# Altium PCB logo.PcbDoc
Units mil, origin at the board's own origin, x right, y up, seen from the top; angles counter-clockwise.
Board outline 6490 x 5357.19 mil, 2 copper layers (Top Layer, Bottom Layer); 37 components, 62 nets, 266 pads, 0 vias.
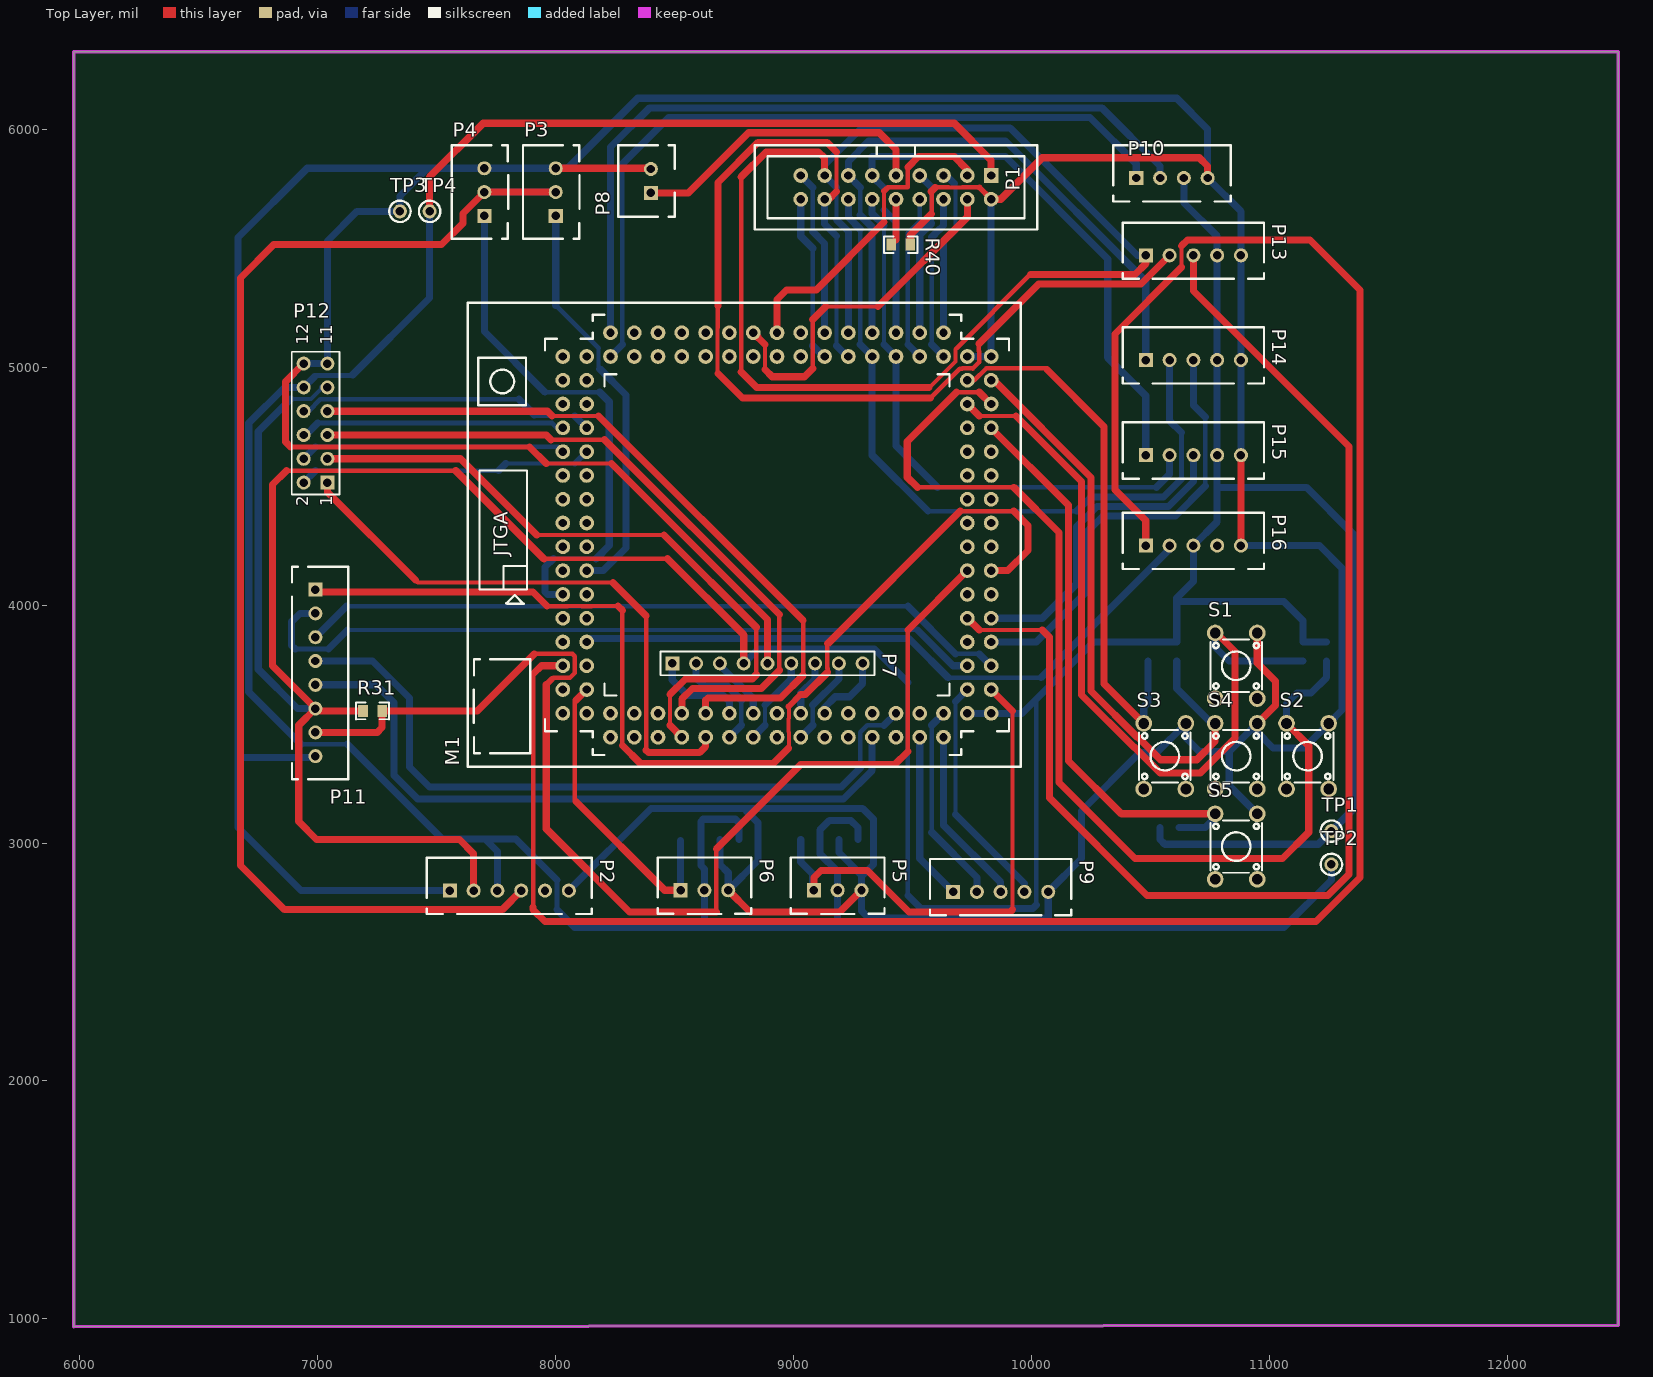
[diagram p0: Top Layer view]
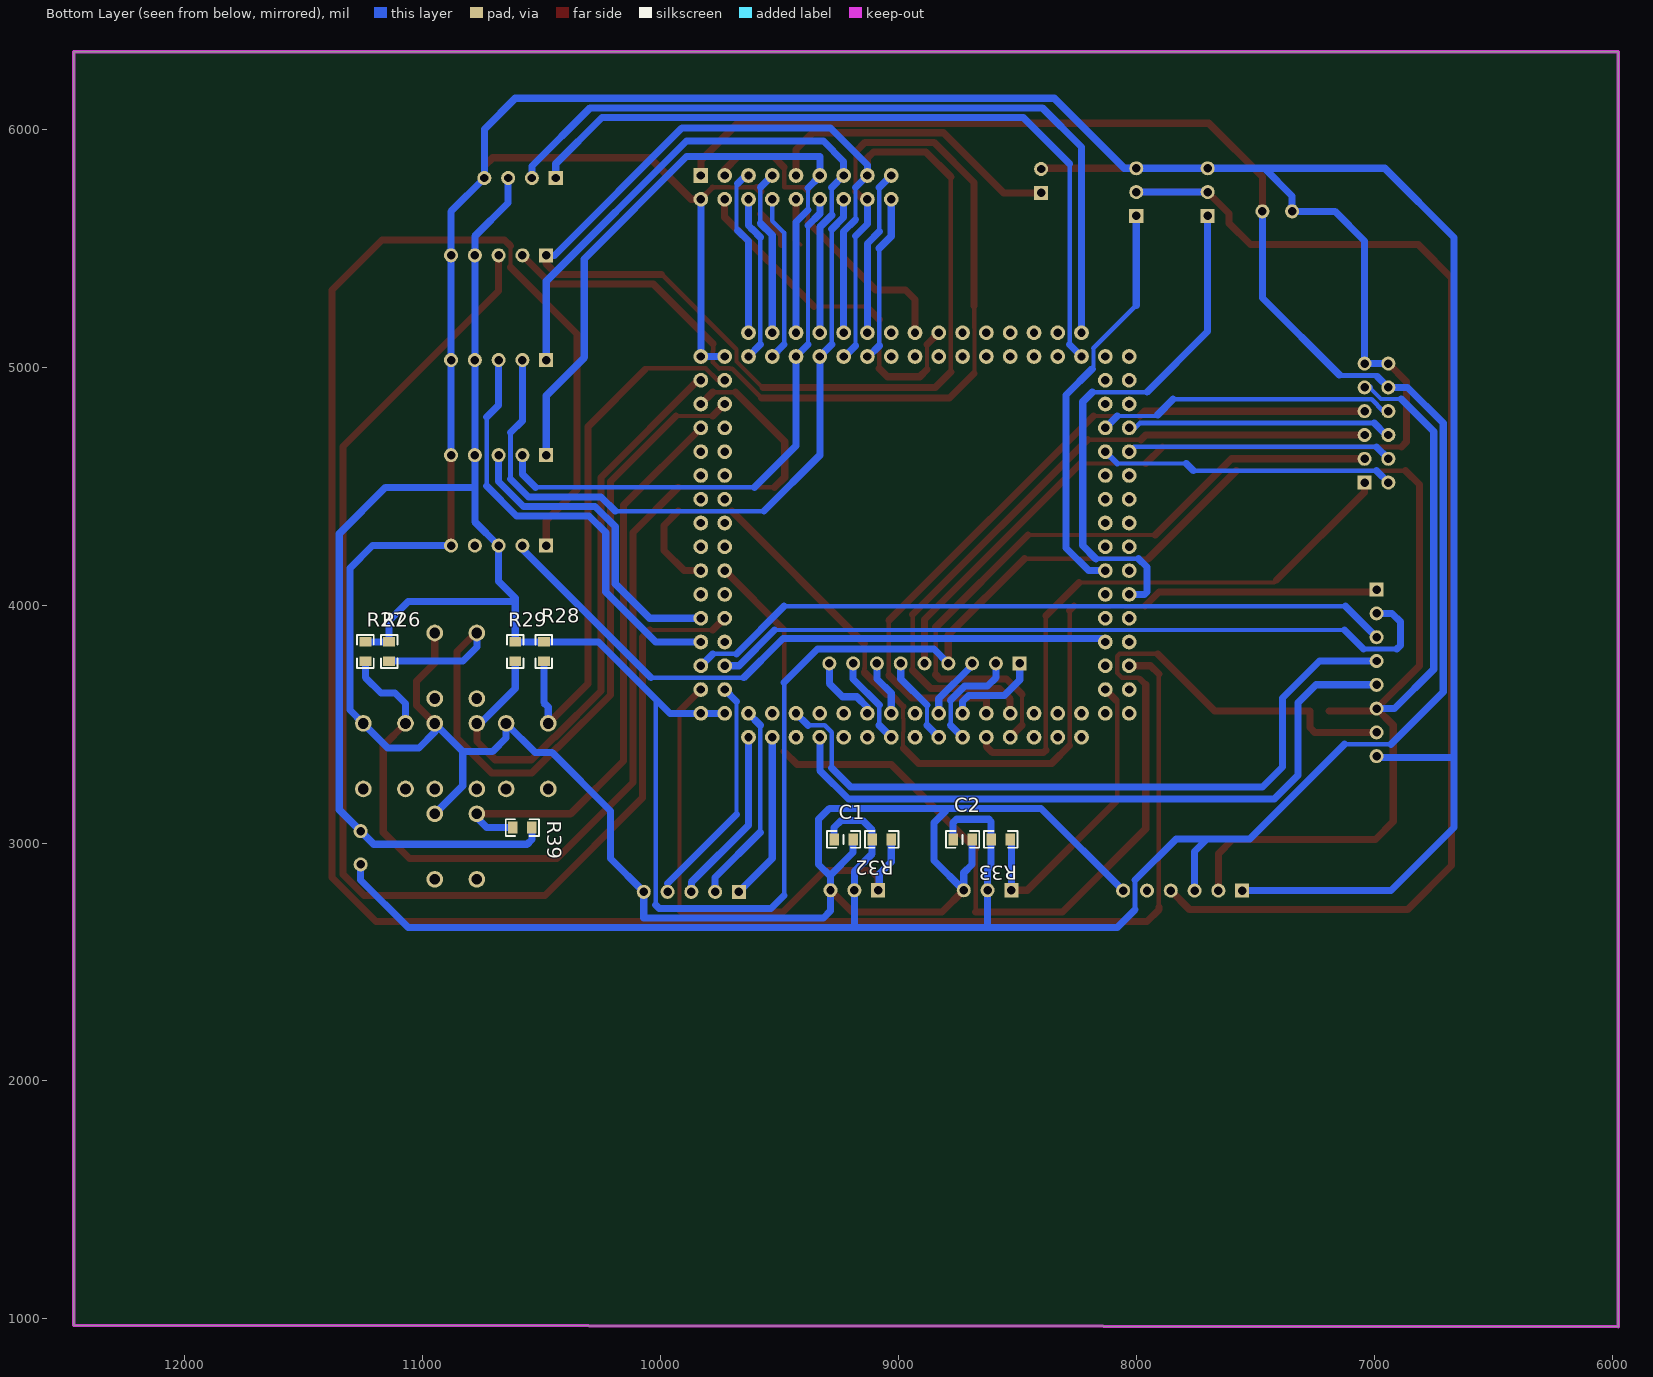
[diagram p1: Bottom Layer view, seen from below]

## Layer stack, top to bottom
Top Layer: signal copper 1.4
Dielectric: dielectric 12.6, FR-4, Dk 4.8
Bottom Layer: signal copper 1.4

## Board outline
5975,967.81 5975,6325 12465,6325 12465,973.22

## Design rules (kind name [scope] priority, off if disabled: settings)
Clearance [All] p1: gap=10
PolygonConnect [All] p1: connectstyle=Relief reliefconductorwidth=10 reliefentries=4 polygonreliefangle="90 Angle"
RoutingVias [All] p1: holewidth=28 width=50 viastyle="Through Hole" minholewidth=28 minwidth=50 maxholewidth=28 maxwidth=50
SilkscreenOverComponentPads [All] p1: minsilkscreentomaskgap=10
SolderMaskExpansion [All] p1: expansion=4
Width [All] p1: maxlimit=50 minlimit=18 preferedwidth=35 minimp=50.000000 maximp=50.000000 favimp=50.000000
27 further rules are at their usual default settings.

## Components (designator, comment, footprint, x,y, rotation, side; value= is the part's Value field where it differs from the comment)
C1 "100nF" 0805C 9230,3015 r0 bottom
C2 "100nF" 0805C 8730,3015 r0 bottom
M1 "K60P144_Board" "landzo_K60P144_Module V2.0" 8930,4295 r90 top
P1 "0V7620数字摄像头" IDC9X2_1 9430,5755.8 r180 top
P2 "多路电源" XH2.54_6P 7805,2800 r0 top
P3 "Header 3" XH2.54_3P 8000,5735.94 r90 top
P4 "舵机接口" XH2.54_3P 7700,5735.94 r90 top
P5 "测速编码器" XH2.54_3P 9185,2801.57 r0 top
P6 "Header 3" XH2.54_3P 8625,2801.57 r0 top
P7 "三轴陀螺仪，加速度" HDR1X9 8490,3755 r0 top
P8 "Header 2" XH2.54_2P 8400,5782.8 r90 top
P9 "电机接口" XH2.54_5P 9870,2795 r0 top
P10 "电磁传感器" XH2.54_4P 10590,5795 r0 top
P11 "NOKIA 5110液晶" XH2.54_8P 6990,3715 r270 top
P12 "预留接口" HDR2X6 7040.51,4515 r90 top
P13 "线性CCD模块" XH2.54_5P 10680,5470 r0 top
P14 "Header 5" XH2.54_5P 10680,5030 r0 top
P15 "Header 5" XH2.54_5P 10680,4630 r0 top
P16 "蓝牙接口" XH2.54_5P 10680,4250 r0 top
R26 "10K" 0805 11140,3805 r90 bottom
R27 "10K" 0805 11240,3805 r90 bottom
R28 "10K" 0805 10490,3805 r90 bottom
R29 "10K" 0805 10610,3805 r90 bottom
R31 "0R" 0805 7230,3555 r0 top
R32 "4.7K" 0805 9070,3015 r0 bottom
R33 "4.7K" 0805 8570,3015 r0 bottom
R39 "10K" 0805 10580,3065 r180 bottom
R40 "2K" 0805 9450,5515 r0 top
S1 "SW-PB" KEY4 10860,3745 r0 top
S2 "SW-PB" KEY4 11160,3365 r0 top
S3 "SW-PB" KEY4 10560,3365 r0 top
S4 "SW-PB" KEY4 10860,3365 r0 top
S5 "SW-PB" KEY4 10860,2985 r0 top
TP1 "TP_3.3V" TP1 11260,3050 r0 top
TP2 "TP_5V" TP1 11260,2910 r0 top
TP3 "TP_GND" TP1 7345,5655 r0 top
TP4 "TP_5V" TP1 7470,5655 r0 top

## Footprints (in the part's own frame and the unit in brackets; to place one, negate y for a bottom-side part, rotate by r counter-clockwise, add the part's x,y. Pads: shape width x height; smd on the part's side, far side on the other; paste and mask are expansions set on the pad)
0805 [mil]
  rect 40x50 smd: 1(-40,0) 2(40,0)
  silkscreen extent -70,-35 70,35
0805C [mil]
  rect 40x50 smd: 1(-40,0) 2(40,0)
  silkscreen extent -70,-35 70,35
HDR1X9 [mm] "Connector; Header; 9 Position"
  rect 1.5x1.5 hole 0.9: 1(0,0)
  round 1.5 hole 0.9: 2(2.54,0) 3(5.08,0) 4(7.62,0) 5(10.16,0) 6(12.7,0) 7(15.24,0) 8(17.78,0) 9(20.32,0)
  silkscreen extent -1.27,-1.27 21.59,1.27
HDR2X6 [mm] "Connector; Header; 6x2 Position"
  rect 1.5x1.5 hole 0.9: 1(0,0)
  round 1.5 hole 0.9: 2(0,2.54) 3(2.54,0) 4(2.54,2.54) 5(5.08,0) 6(5.08,2.54) 7(7.62,0) 8(7.62,2.54) 9(10.16,0) 10(10.16,2.54) 11(12.7,0) 12(12.7,2.54)
  silkscreen extent -1.27,-1.27 13.97,3.81
IDC9X2_1 [mil]
  rect 62x62 hole 35: 1(-400,-50)
  round 62 hole 35: 2(-400,50) 3(-300,-50) 4(-300,50) 5(-200,-50) 6(-200,50) 7(-100,-50) 8(-100,50) 9(0,-50) 10(0,50) 11(100,-50) 12(100,50) 13(200,-50) 14(200,50) 15(300,-50) 16(300,50) 17(400,-50) 18(400,50)
  silkscreen extent -594,-177 594,177
KEY4 [mil]
  round 70 hole 45: 0(-88.58,-137.8) 0(88.58,-137.8) 1(-88.58,137.8) 2(88.58,137.8)
  silkscreen extent -108,-110 108,110
"landzo_K60P144_Module V2.0" [mil]
  round 62 hole 35: 1(750,-800) 2(750,-900) 3(650,-800) 4(650,-900) 5(550,-800) 6(550,-900) 7(450,-800) 8(450,-900) 9(350,-800) 10(350,-900) 11(250,-800) 12(250,-900) 13(150,-800) 14(150,-900) 15(50,-800) 16(50,-900) 17(-50,-800) 18(-50,-900) 19(-150,-800) 20(-150,-900) 21(-250,-800) 22(-250,-900) 23(-350,-800) 24(-350,-900) 25(-450,-800) 26(-450,-900) 27(-550,-800) 28(-550,-900) 29(-650,-800) 30(-650,-900) 31(-750,-800) 32(-750,-900) 33(-750,-700) 34(-850,-700) 35(-750,-600) 36(-850,-600) 37(-750,-500) 38(-850,-500) 39(-750,-400) 40(-850,-400) 41(-750,-300) 42(-850,-300) 43(-750,-200) 44(-850,-200) 45(-750,-100) 46(-850,-100) 47(-750,0) 48(-850,0) 49(-750,100) 50(-850,100) 51(-750,200) 52(-850,200) 53(-750,300) 54(-850,300) 55(-750,400) 56(-850,400) 57(-750,500) 58(-850,500) 59(-750,600) 60(-850,600) 61(-750,700) 62(-850,700) 63(-750,800) 64(-750,900) 65(-650,800) 66(-650,900) 67(-550,800) 68(-550,900) 69(-450,800) 70(-450,900) 71(-350,800) 72(-350,900) 73(-250,800) 74(-250,900) 75(-150,800) 76(-150,900) 77(-50,800) 78(-50,900) 79(50,800) 80(50,900) 81(150,800) 82(150,900) 83(250,800) 84(250,900) 85(350,800) 86(350,900) 87(450,800) 88(450,900) 89(550,800) 90(550,900) 91(650,800) 92(650,900) 93(750,800) 94(750,900) 95(750,700) 96(850,700) 97(750,600) 98(850,600) 99(750,500) 100(850,500) 101(750,400) 102(850,400) 103(750,300) 104(850,300) 105(750,200) 106(850,200) 107(750,100) 108(850,100) 109(750,0) 110(850,0) 111(750,-100) 112(850,-100) 113(750,-200) 114(850,-200) 115(750,-300) 116(850,-300) 117(750,-400) 118(850,-400) 119(750,-500) 120(850,-500) 121(750,-600) 122(850,-600) 123(750,-700) 124(850,-700)
  silkscreen extent -975,-1025 975,1300
TP1 [mm]
  round 1.5 hole 0.9: 1(0,0)
  silkscreen extent -1.14,-1.14 1.14,1.14
XH2.54_2P [mm]
  rect 1.5x1.5 hole 0.9: 1(-1.27,0)
  round 1.5 hole 0.9: 2(1.27,0)
  silkscreen extent -3.81,-2.54 3.81,3.5
XH2.54_3P [mm]
  rect 1.5x1.5 hole 0.9: 1(-2.54,0)
  round 1.5 hole 0.9: 2(0,0) 3(2.54,0)
  silkscreen extent -5,-2.54 5,3.5
XH2.54_4P [mm]
  rect 1.5x1.5 hole 0.9: 1(-3.81,0)
  round 1.5 hole 0.9: 2(-1.27,0) 3(1.27,0) 4(3.81,0)
  silkscreen extent -6.27,-2.5 6.27,3.5
XH2.54_5P [mm]
  rect 1.5x1.5 hole 0.9: 1(-5.08,0)
  round 1.5 hole 0.9: 2(-2.54,0) 3(0,0) 4(2.54,0) 5(5.08,0)
  silkscreen extent -7.54,-2.5 7.54,3.5
XH2.54_6P [mm]
  rect 1.5x1.5 hole 0.9: 1(-6.35,0)
  round 1.5 hole 0.9: 2(-3.81,0) 3(-1.27,0) 4(1.27,0) 5(3.81,0) 6(6.35,0)
  silkscreen extent -8.81,-2.5 8.81,3.5
XH2.54_8P [mm]
  rect 1.5x1.5 hole 0.9: 1(-8.89,0)
  round 1.5 hole 0.9: 2(-6.35,0) 3(-3.81,0) 4(-1.27,0) 5(1.27,0) 6(3.81,0) 7(6.35,0) 8(8.89,0)
  silkscreen extent -11.35,-2.5 11.35,3.5

## Part data
C1 C2: library part Cap, "Capacitor"
M1: library part "landzo_K60P144_Module V2.0"
P1: library part "Header 9X2", "Header, 10-Pin, Dual row"
P2: library part "Header 6", "Header, 6-Pin"
P3 P6: "Header, 3-Pin"
P4 P5: library part "Header 3", "Header, 3-Pin"
P7: library part "Header 9", "Header, 9-Pin"
P8: "Header, 2-Pin"
P9 P13 P16: library part "Header 5", "Header, 5-Pin"
P10: library part "Header 4", "Header, 4-Pin"
P11: library part "Header 8", "Header, 8-Pin"
P12: library part "Header 6X2", "Header, 6-Pin, Dual row"
P14 P15: "Header, 5-Pin"
R26 R27 R28 R29 R31 R32 R33 R39 R40: library part Res, "Resistor"
S1 S2 S3 S4 S5: "Switch"
TP1 TP2 TP3 TP4: library part TP

## Nets (pads, with @x,y where several pads share a name; then routed paths per layer and width w, separated by ;. In a path a pad name is that pad's centre, name@x,y a point inside that pad or via, vN(x,y) a via of type N, cw(c..) or ccw(c..) an arc to the next point about the centre after c; other vN are vias at no path point)
0G_DETECT: M1.43 P7.9 | length 311.4
  Bottom Layer w15: M1.43 M1.43@9130,3570
  Bottom Layer w30: M1.43@9130,3570 9175,3615 9235,3615 9290,3670 P7.9
3.3V: M1.31 M1.32 P2.2 P7.4 P10.3 P11.6 P12.9 P13.4 P14.4 P15.4 P16.3 R26.2 R27.2 R28.2 R29.2 R31.1 R39.2 TP1.1 | length 16405.1
  Top Layer w15: P7.4@8781.5,3746.5 P7.4
  Top Layer w18: 7950,4195 8470,4195
  Top Layer w20: 6867.97,4565 7580,4565
  Top Layer w30: 6867.97,4565 6810,4507.03 6810,3745 P11.6 6920,3495 6920,3090 6995,3015 7595,3015 7655,2955 P2.2 ; P11.6@7000,3555 R31.1 ; 7580,4565 7950,4195 ; 8470,4195 8790,3875 P7.4
  Bottom Layer w18: 6886.47,4866.47 6971.47,4866.47 P12.9@7020,4915 ; 9480,2780 9480,3675 ; 10020,2740 10020,3594.51
  Bottom Layer w30: 6886.47,4866.47 6750,4730 6750,3730 6915,3565 P11.6 ; P12.9@7020,4915 P12.9 ; P7.4 8850,3815 9340,3815 9480,3675 ; 9480,2780 9535,2725 10005,2725 10020,2740 ; M1.31 M1.32 9960,3545 10260,3845 R28.2 R29.2 10610,4030 10680,4100 P16.3 10780,4350 10780,4495 ; R39.2 10540,3015 10560,2995 11205,2995 11350,3140 11350,4300 11155,4495 10780,4495 ; 10625,4015 11060,4015 11140,3935 R26.2 R27.2 ; P10.3 10640,5690 10780,5550 P13.4 P14.4 P15.4 10780,4495
5V: C1.2 C2.2 P1.1 P2.3 P5.2 P6.2 P12.10 R32.2 R33.2 TP2.1 TP4.1 | length 11984.7
  Top Layer w30: TP4.1 7470,5800 7695,6025 9675,6025 9830,5870 P1.1
  Bottom Layer w18: 6985.51,4960 6990.98,4965.47
  Bottom Layer w20: 6930,3415 7125,3415 ; 6990.98,4965.47 7144.53,4965.47 7147.03,4967.97 ; 8005,2720 8005,2844.06
  Bottom Layer w30: 6930,3415 6710,3635 6710,4765 6860,4915 P12.10 6985.51,4960 ; 7125,3415 7522.68,3017.32 7702.68,3017.32 ; 7147.03,4967.97 7470,5290.94 TP4.1 ; P2.3 7755,2965 7702.68,3017.32 ; 8005,2720 8080,2645 11060,2645 11260,2845 TP2.1 ; 8005,2844.06 7831.73,3017.32 7702.68,3017.32 ; 8625,2645 P6.2 8625,2890 8610,2905 R33.2 8610,3090 8620,3100 8755,3100 8770,3085 C2.2 ; 9185,2650 P5.2 9185,2880 9110,2955 R32.2 9110,3055 9150,3095 9240,3095 9270,3065 C1.2
6V: P2.4 P3.2 P4.2 | length 5558.3
  Top Layer w30: P2.4 7775,2720 6860,2720 6675,2905 6675,5375 6815,5515 7520,5515 7610,5605 7610,5645.94 P4.2 P3.2
  Bottom Layer w30: P4.2 P3.2
12V: P2.5
"ANGULARRATE HORIZONTAL1": M1.49 P7.3 | length 268
  Bottom Layer w15: P7.3 P7.3@8695,3750
  Bottom Layer w30: P7.3@8695,3750 8695,3742.53 8830,3607.53 M1.49
"ANGULARRATE HORIZONTAL2": M1.51 P7.1 | length 396.9
  Bottom Layer w30: P7.1 8490,3685 8555,3620 8704.39,3620 8730,3594.39 M1.51
"ANGULARRATE VERTICAL": M1.52 P7.2 | length 468.1
  Bottom Layer w18: 8781.5,3496.5 8780,3498 8780,3597.96 8781.5,3599.46
  Bottom Layer w30: P7.2 8590,3695 8625,3660 8720.96,3660 8781.5,3599.46 ; M1.52 8781.5,3496.5
"BT RXD": M1.69 P16.2 | length 2763.2
  Bottom Layer w15: M1.69 M1.69@8145,3860 ; P16.2@10580,4235 P16.2
  Bottom Layer w18: 9650,3695 10040,3695
  Bottom Layer w30: M1.69@8145,3860 9485,3860 9500,3845 9650,3695 ; 10040,3695 P16.2@10580,4235
"BT TXD": M1.68 P16.1 | length 9449
  Top Layer w18: 7905,2730 7905,3710 ; 10630,5420 10630,5510
  Top Layer w30: 7905,2730 7905,2720 7955,2670 11195,2670 11380,2855 11380,5325 11170,5535 10655,5535 10630,5510 ; 7905,3710 7940,3745 M1.68 ; P16.1 10480,4355 10350,4485 10350,5140 10630,5420
"CCD AD1": M1.23 P13.3 | length 5390.3
  Top Layer w18: 9780,3895 10045,3895
  Top Layer w30: M1.23 9780,3895 ; 10045,3895 10075,3865 10075,3190 10485,2780 11245,2780 11333.47,2868.47 11333.47,4666.53 10680,5320 P13.3
"CCD AD2": M1.26 P14.3 | length 1868.5
  Bottom Layer w20: 10730,4500 10730,4790
  Bottom Layer w30: M1.26 10020,3845 10230,4055 10230,4305 10300,4375 10605,4375 10730,4500 ; P14.3 10680,4840 10730,4790
"CCD AD3": M1.24 P15.3 | length 1338.8
  Bottom Layer w30: M1.24 10045,3945 10190,4090 10190,4330 10275,4415 10575,4415 10680,4520 P15.3
FODD: M1.122 P1.7 | length 702.2
  Bottom Layer w15: P1.7@9530,5805 P1.7
  Bottom Layer w18: 9580,5605 9580,5755
  Bottom Layer w30: M1.122 9530,5555 9580,5605 ; P1.7@9530,5805 9580,5755
GND: C1.1 C2.1 M1.1 M1.2 P1.2 P2.1 P2.6 P3.3 P4.3 P5.3 P6.3 P7.5 P8.2 P9.5 P10.4 P11.8 P12.11 P12.12 P13.5 P14.5 P15.5 P16.5 R40.2 S1.2 S2.2 S3.2 S4.2 S5.2 TP3.1 | length 24742
  Top Layer w15: S2.2 S2.2@11248.58,3516.42
  Top Layer w18: 7960,4595 8235,4595 ; 9578.5,5643.5 9580,5645 9580,5726.51 9578.5,5728.01 9578.5,5738.5 ; 9595,5755 9595.8,5755.8 9650.71,5755.8 9651.51,5755 9708.49,5755 9709.29,5755.8 9780,5755.8 9780.8,5755
  Top Layer w20: 6885,4665 7890,4665
  Top Layer w25: 9780.8,5755 P1.2
  Top Layer w30: 6885,4665 6865,4685 6865,4939.49 P12.12 ; 7890,4665 7960,4595 ; P3.3 P8.2@8396.85,5835.94 ; 8235,4595 8890,3940 P7.5 ; P6.3 8816.57,2710 9193.43,2710 P5.3 ; R40.2 9490,5555 9578.5,5643.5 ; 9578.5,5738.5 9595,5755 ; P1.2 9870.8,5705.8 10045,5880 10705,5880 10740,5845 P10.4 ; P16.5 P15.5 ; S4.2 11025,3579.21 11025,3680 10948.58,3756.42 S1.2
  Bottom Layer w15: 10948.58,3466.42 S4.2
  Bottom Layer w30: 6675,3360 P11.8@6985,3360 ; P12.12 P12.11 7040.51,5530.51 7165,5655 TP3.1 7345,5720 7460.94,5835.94 ; P2.1 6930,2800 6665,3065 6665,5545 6955.94,5835.94 P4.3 P3.3 8050.59,5835.94 8344.64,6130 10610,6130 10740,6000 P10.4 10880,5655 P13.5 P14.5 P15.5 ; P2.6 8400,3145 9290,3145 9335,3100 9335,2910 9285,2860 P5.3 9285,2715 9315,2685 10070,2685 P9.5 10210,2935 10210,3135 10455,3380 10525.79,3380 S3.2 10648.58,3441.42 10705,3385 10830.79,3385 ; C2.1 8690,2910 8725,2875 P6.3 8850,2926.57 8850,3085 8802.5,3132.5 ; C1.1 9190,2960 9285,2865 ; M1.1 M1.2 P1.2 ; P16.5 11210,4250 11305,4155 11305,3559.21 S2.2 11145.79,3400 11015,3400 10948.58,3466.42 ; S5.2 10830.79,3240.59 10830.79,3385 ; S4.2 10830.79,3385
HREF: M1.123 P1.6 | length 702.9
  Bottom Layer w18: 9580,5095 9580,5545
  Bottom Layer w30: 9580,5095 M1.123 ; 9580,5545 9580,5546.21 9613.43,5579.64 9614.64,5579.64 9630,5595 P1.6
KEY1: M1.5 R26.1 S1.1 | length 3285.5
  Top Layer w15: S1.1 S1.1@10777.2,3882.8
  Top Layer w18: 9780,4795 9935,4795
  Top Layer w30: M1.5 9780,4795 ; 9935,4795 10210,4520 10210,3622.79 10430,3402.8 10432.2,3402.8 10540,3295 10710,3295 10855,3440 10855,3805 S1.1@10777.2,3882.8
  Bottom Layer w30: S1.1 10771.42,3823.58 10830,3765 R26.1
KEY2: M1.6 R27.1 S2.1 | length 4488.4
  Top Layer w18: 9520,4495 9925,4495 ; 9685,4895 9780,4895
  Top Layer w30: 9520,4495 9477.5,4537.5 9477.5,4687.5 9685,4895 ; 9780,4895 M1.6 ; 9925,4495 10115,4305 10115,3255 10435,2935 11055,2935 11165,3045 11165,3409.21 S2.1
  Bottom Layer w15: S2.1 S2.1@11071.42,3506.42
  Bottom Layer w30: S2.1 11071.42,3586.42 11115,3630 11175,3630 11240,3695 R27.1
KEY3: M1.3 R28.1 S3.1 | length 2285.2
  Top Layer w18: M1.3 9759.29,4945 9809.29,4995 10060,4995 10065,4990
  Top Layer w30: 10065,4990 10305,4750 10305,3669.21 S3.1
  Bottom Layer w15: S3.1@10470,3504.21 S3.1
  Bottom Layer w30: S3.1 10471.42,3571.42 10490,3590 R28.1
KEY4: M1.4 R29.1 S4.1 | length 2572.5
  Top Layer w30: M1.4 9841.57,4945 10250,4536.57 10250,3639.36 10446.57,3442.8 10448.77,3442.8 10541.57,3350 10694.04,3350 10771.42,3427.38 S4.1
  Bottom Layer w15: S4.1@10757.2,3502.8 S4.1
  Bottom Layer w30: R29.1 10610,3650 S4.1@10757.2,3502.8
KEY5: M1.8 R39.1 S5.1 | length 2428
  Top Layer w30: M1.8 10150,4425 10155,4420 10155,3345 10377.2,3122.8 S5.1
  Bottom Layer w15: S5.1@10771.42,3106.42 S5.1
  Bottom Layer w30: R39.1 10730,3065 S5.1@10771.42,3106.42
"LCD CE": M1.27 P11.2 | length 3156
  Bottom Layer w18: 7125,3895 9520,3895
  Bottom Layer w20: 6905,3815 7045,3815
  Bottom Layer w30: 6905,3815 6890,3830 6890,3930 6925,3965 P11.2 ; 7045,3815 7125,3895 ; 9520,3895 9670,3745 M1.27
"LCD CLK": M1.40 P11.5 | length 2907.2
  Bottom Layer w30: P11.5 7245,3665 7320,3590 7320,3285 7420,3185 9210,3185 9330,3305 M1.40
"LCD DC": M1.28 P11.3 | length 2997.4
  Bottom Layer w18: 7120,3995 9480,3995 ; 9680,3795 9780,3795
  Bottom Layer w30: P11.3 7120,3995 ; 9480,3995 9680,3795 ; 9780,3795 M1.28
"LCD DIN": M1.37 P11.4 | length 3046.1
  Bottom Layer w18: 9280,3315 9280,3465.71 9309.29,3495 9380,3495
  Bottom Layer w30: P11.4 7230,3765 7385,3610 7385,3320 7470,3235 9200,3235 9280,3315 ; 9380,3495 M1.37
"LCD LIGHT": M1.19 P11.7 R31.2 | length 5051.6
  Top Layer w18: 7910,3795 8070,3795 ; 7985,3690 7990,3695 8060,3695 8060.36,3694.64 8080,3714.29 8080,3785 ; 8675,2710 8675,2975 ; 9480,3385 9480,3895
  Top Layer w20: 8070,3795 8080,3785
  Top Layer w25: 7960,3665 7985,3690
  Top Layer w30: P11.7 7250,3465 7270,3485 R31.2 7670,3555 7910,3795 ; 7960,3665 7960,3060 8310,2710 8675,2710 ; 8675,2975 9030,3330 9425,3330 9480,3385 ; 9480,3895 M1.19
"LCD RST": M1.20 P11.1 | length 4571.3
  Top Layer w15: M1.20@9830,4142 M1.20
  Top Layer w18: 7963.5,3996.5 7965,3995 8050.71,3995 8052.21,3996.5 8107.79,3996.5 8109.29,3995 8150.71,3995 8152.21,3996.5 8261.5,3996.5 ; 8280,3410 8280,3978 ; 8978.5,3398.5 8980,3400 8980,3465.71 8978.5,3467.21 8978.5,3522.79 8980,3524.29 8980,3565.71 8978.5,3567.21 8978.5,3573.5 ; 9142.97,3717.97 9142.97,3733.4 9141.47,3734.9 9141.47,3836.47 9142.97,3837.97 ; 9700,4395 9925,4395
  Top Layer w25: 8978.5,3573.5 9030,3625
  Top Layer w30: P11.1 7000,4055 7905,4055 7963.5,3996.5 ; 8261.5,3996.5 8280,3978 ; 8280,3410 8355,3335 8915,3335 8978.5,3398.5 ; 9030,3625 9050,3625 9142.97,3717.97 ; 9142.97,3837.97 9700,4395 ; M1.20 9900,4145 9985,4230 9985,4335 9925,4395
MAGNETICSENSOR1: M1.95 P10.1 | length 3212.3
  Bottom Layer w18: 8280,5095 8280,5855
  Bottom Layer w30: M1.95 8280,5095 ; 8280,5855 8475,6050 10245,6050 10440,5855 P10.1
MAGNETICSENSOR2: M1.96 P10.2 | length 3309.8
  Bottom Layer w30: M1.96 8230,5925 8395,6090 10295,6090 10540,5845 P10.2
MOTORPWM1: M1.36 P9.1 | length 708
  Bottom Layer w30: M1.36 9530,2935 P9.1
MOTORPWM2: M1.33 P9.2 | length 849.4
  Bottom Layer w18: 9580,3045 9580,3495
  Bottom Layer w30: 9580,3045 9770,2855 P9.2 ; 9580,3495 M1.33
MOTORPWM3: M1.34 P9.3 | length 749.4
  Bottom Layer w30: M1.34 9630,3075 9870,2835 P9.3
MOTORPWM4: M1.29 P9.4 | length 990.8
  Bottom Layer w0: P9.4 9970,2830
  Bottom Layer w18: 9680,3120 9680,3595
  Bottom Layer w30: 9680,3120 9970,2830 ; 9680,3595 M1.29
NetP1_10: P1.10 R40.1 | length 199.1
  Top Layer w15: R40.1 9430,5535
  Top Layer w30: 9430,5535 P1.10
PCLK: M1.124 P1.5 | length 708.8
  Bottom Layer w15: P1.5 P1.5@9641.2,5805.8
  Bottom Layer w18: 9675,5575 9680,5580 9680,5767 9675,5772
  Bottom Layer w30: M1.124 9630,5530 9675,5575 ; P1.5@9641.2,5805.8 9675,5772
"R-IO 01": M1.88 P12.6 | length 1110.6
  Bottom Layer w15: P12.6 P12.6@6950,4715
  Bottom Layer w20: 7000,4765 7985,4765 8010,4740 M1.88@8020,4740
  Bottom Layer w30: P12.6@6950,4715 7000,4765
"R-IO 02": M1.87 P12.8 | length 1259.9
  Bottom Layer w15: P12.8 P12.8@6955,4815
  Bottom Layer w18: 7910,4800 7915,4795 8080,4795
  Bottom Layer w20: P12.8@6955,4815 6961.01,4815 7011.01,4865 7845,4865
  Bottom Layer w30: 7845,4865 7910,4800 ; 8080,4795 M1.87
"R-IO 03": M1.86 P12.4 | length 1118.5
  Bottom Layer w15: M1.86@8010,4665 M1.86
  Bottom Layer w18: 6990.51,4665 M1.86@8010,4665
  Bottom Layer w30: P12.4 6990.51,4665
"R-IO 04": M1.85 P12.2 | length 1243.3
  Bottom Layer w18: 6990.51,4565 7760,4565 ; 7790,4595 8080,4595
  Bottom Layer w25: 8080,4595 M1.85
  Bottom Layer w30: P12.2 6990.51,4565 ; 7760,4565 7790,4595
"RESERVED AD1": M1.55 P12.5 | length 2966.1
  Top Layer w18: 7980,4695 8205,4695 ; 8940,3726.47 8940,3960
  Top Layer w30: P12.5 7960,4715 7980,4695 ; 8205,4695 8940,3960 ; M1.55 8530,3605 8575,3650 8863.53,3650 8940,3726.47
"RESERVED AD2": M1.56 P12.3 | length 2896.4
  Top Layer w15: M1.56 M1.56@8530,3448
  Top Layer w18: 7920,4295 8455,4295 ; 8480,3495 8480,3625 ; 8842.97,3707.03 8842.97,3907.03
  Top Layer w30: P12.3 7600,4615 7920,4295 ; 8455,4295 8842.97,3907.03 ; 8480,3495 M1.56 ; 8480,3625 8545,3690 8825.94,3690 8842.97,3707.03
"RESERVED AD3": M1.53 P12.7 | length 3112.4
  Top Layer w15: M1.53 M1.53@8637.03,3552.03
  Top Layer w18: 7985,4795 8180,4795 ; 9040,3705 9040,3935
  Top Layer w30: P12.7 7965,4815 7985,4795 ; 8180,4795 9040,3935 ; M1.53 8630,3600 8640,3610 8945,3610 9040,3705
"RESERVED AD4": M1.54 P12.1 | length 2464.7
  Top Layer w18: 7410,4105 7420,4095 8240,4095 ; 8380,3390 8380,3955
  Top Layer w30: P12.1 7040.51,4474.49 7410,4105 ; 8240,4095 8380,3955 ; 8380,3390 8390,3380 8605,3380 8630,3405 M1.54
SCL: M1.110 P1.3 | length 1361
  Top Layer w15: P1.3 P1.3@9730,5830
  Top Layer w18: 9380,5610 9380,5740 ; 9390,5750 9395.8,5755.8 9480,5755.8 9480,5840
  Top Layer w25: 9380,5740 9390,5750
  Top Layer w30: M1.110 8930,5285 8970,5325 9095,5325 9380,5610 ; 9480,5840 9525,5885 9675,5885 P1.3@9730,5830
SDA: M1.108 P1.4 | length 1511.5
  Top Layer w18: 8880,4990 8880,5095 ; 9080,4995 9080,5200 ; 9135,5255 9355,5255
  Top Layer w30: M1.108 8880,5095 ; 8880,4990 8910,4960 9045,4960 9080,4995 ; 9080,5200 9135,5255 ; 9355,5255 9730,5630 P1.4
SPEED1: M1.30 P5.1 R32.1 | length 2176
  Top Layer w18: 9920,2720 9920,3555
  Top Layer w30: P5.1 9085,2855 9115,2885 9310,2885 9485,2710 9910,2710 9920,2720 ; M1.30 9920,3555
  Bottom Layer w15: P5.1@9080,2806.57 P5.1
  Bottom Layer w30: R32.1 9030,2920 9080,2870 P5.1@9080,2806.57
SPEED2: M1.65 P6.1 R33.1 | length 1303
  Top Layer w18: 8085,3175 8080,3180 8080,3595 8085,3600
  Top Layer w30: 8085,3175 8458.43,2801.57 P6.1 ; 8085,3600 M1.65
  Bottom Layer w15: R33.1@8525,3010 R33.1
  Bottom Layer w30: P6.1 R33.1@8525,3010
STEERINGPWM1: M1.75 P3.1 | length 1722.5
  Bottom Layer w18: 8180,5080 8180,4998 8185,4993
  Bottom Layer w20: 8000,5260 8180,5080
  Bottom Layer w30: 8000,5260 P3.1 ; M1.75 8200,4145 8295,4240 8295,4883 8185,4993
STEERINGPWM2: M1.74 P4.1 | length 2229.6
  Bottom Layer w18: 7955,4895 8185,4895 ; 7990,4195 8170,4195
  Bottom Layer w30: P4.1 7700,5150 7955,4895 ; 7990,4195 7955,4160 7955,4055 7965,4045 M1.74 ; 8170,4195 8225,4250 8225,4855 8185,4895
VSYNC: M1.121 P1.8 | length 702.2
  Bottom Layer w18: 9480,5095 9480,5565 9530,5615 P1.8
  Bottom Layer w30: 9480,5095 M1.121
VTO: P1.9 P8.1 | length 1272.7
  Top Layer w30: P8.1 8557.8,5732.8 8810,5985 9360,5985 9430,5915 P1.9
X_OUT: M1.46 P7.8 | length 376.3
  Bottom Layer w18: 9080,3495 9080,3580
  Bottom Layer w30: M1.46 9080,3495 ; 9080,3580 9190,3690 P7.8
"Y0/SI 3": M1.120 P1.11 P15.1 | length 2840.8
  Bottom Layer w15: P1.11@9330,5802.8 P1.11
  Bottom Layer w18: 9380,5660 9380,5752.8
  Bottom Layer w30: P1.11@9330,5802.8 9380,5752.8 ; P1.11 9330,5885 9890,5885 10320,5455 10320,5040 10480,4880 P15.1 ; 9380,5660 9430,5610 M1.120
"Y1/CLK 3": M1.119 P1.12 P15.2 | length 2402.5
  Bottom Layer w18: 9380,5095 9380,5595 ; 9605,4495 10525,4495
  Bottom Layer w30: P1.12 9330,5645 9380,5595 ; 9380,5095 M1.119 9430,4670 9605,4495 ; 10525,4495 10580,4550 P15.2
"Y2/SI 2": M1.118 P1.13 P14.1 | length 2621.6
  Bottom Layer w15: 10480,5360 10480,5360.96
  Bottom Layer w18: 9280,5640 9280,5755.8
  Bottom Layer w30: 9280,5640 9280,5638.43 9330,5588.43 M1.118 ; 9280,5755.8 P1.13 9230,5865 9315,5950 9890.96,5950 10480,5360.96 ; P14.1 10480,5360
"Y3/CLK 2": M1.117 P1.14 P14.2 | length 3091.2
  Bottom Layer w18: 9280,5095 9280,5580 ; 9565,4395 10190,4395
  Bottom Layer w20: 10630,4530 10630,4725
  Bottom Layer w30: P1.14 9230,5630 9280,5580 ; 9280,5095 M1.117 9330,4630 9565,4395 ; 10190,4395 10250,4455 10555,4455 10630,4530 ; P14.2 10580,4775 10630,4725
"Y4/SI 1": M1.116 P1.15 P13.1 | length 5687.3
  Top Layer w18: 8780,4980 8780,5800 ; 9568.59,4915 9570.71,4915 9680,5024.29 9680,5075 9685,5080
  Top Layer w20: 9685,5080 9995,5390
  Top Layer w30: 8780,4980 8845,4915 9568.59,4915 ; 8780,5800 8885,5905 9105,5905 9130,5880 P1.15 ; 9995,5390 10435,5390 10480,5435 P13.1
  Bottom Layer w18: 9180,5620 9180,5755.8
  Bottom Layer w30: 9180,5620 9230,5570 M1.116 ; 9180,5755.8 P1.15 9130,5850 9285,6005 9910,6005 10445,5470 P13.1
"Y5/CLK 1": M1.115 P1.16 P13.2 | length 4562.8
  Top Layer w15: P1.16 P1.16@9147.34,5705.8
  Top Layer w18: 8681.5,4973.5 8680,4975 8680,5165.71 8681.5,5167.21 8681.5,5256.5 ; 9180,5738.46 9180,5905 ; 9698.5,4993.5 9707.79,4993.5 9709.29,4995 9750.71,4995 9752.21,4993.5 9780,5021.29 9780,5065.71 9778.5,5067.21 9778.5,5098.5
  Top Layer w20: 9575,4870 9698.5,4993.5
  Top Layer w30: 8681.5,4973.5 8785,4870 9575,4870 ; 8681.5,5256.5 8681.5,5776.5 8850,5945 9140,5945 9180,5905 ; P1.16@9147.34,5705.8 9180,5738.46 ; 9778.5,5098.5 10030,5350 10460,5350 P13.2
  Bottom Layer w15: M1.115@9225,5045 M1.115
  Bottom Layer w18: 9180,5090 9180,5551.57
  Bottom Layer w30: P1.16 9130,5601.57 9180,5551.57 ; 9180,5090 M1.115@9225,5045
Y6: M1.114 P1.17 | length 702.2
  Bottom Layer w18: 9080,5570 9080,5755.8
  Bottom Layer w30: P1.17 9080,5755.8 ; 9080,5570 9130,5520 M1.114
Y7: M1.113 P1.18 | length 700.1
  Bottom Layer w18: 9080,5090 9080,5500
  Bottom Layer w30: P1.18 9030,5550 9080,5500 ; 9080,5090 M1.113@9125,5045
Y_OUT: M1.45 P7.7 | length 234.9
  Bottom Layer w30: M1.45 9030,3630 9090,3690 P7.7
Z_OUT: M1.50 P7.6 | length 376.3
  Bottom Layer w18: 8880,3495 8880,3580
  Bottom Layer w30: M1.50 8880,3495 ; 8880,3580 8990,3690 P7.6
pads on no net: M1.7 M1.9 M1.10 M1.11 M1.12 M1.13 M1.14 M1.15 M1.16 M1.17 M1.18 M1.21 M1.22 M1.25 M1.35 M1.38 M1.39 M1.41 M1.42 M1.44 M1.47 M1.48 M1.57 M1.58 M1.59 M1.60 M1.61 M1.62 M1.63 M1.64 M1.66 M1.67 M1.70 M1.71 M1.72 M1.73 M1.76 M1.77 M1.78 M1.79 M1.80 M1.81 M1.82 M1.83 M1.84 M1.89 M1.90 M1.91 M1.92 M1.93 M1.94 M1.97 M1.98 M1.99 M1.100 M1.101 M1.102 M1.103 M1.104 M1.105 M1.106 M1.107 M1.109 M1.111 M1.112 P16.4 S1.0 S2.0 S3.0 S4.0 S5.0

## Keep-outs
Keep-Out Layer:
  the board outline again, w15

## Other copper
Multi-Layer:
  text "DDK" at 9320,1615 h1000

## Silkscreen, mask and mechanical layers (free items; w line width, h text height)
Top Solder:
  drawing of 731 lines, arcs and shapes, not listed

## Text inside footprints (layer, text, board x,y; h text height)
M1: Top Overlay "JTGA" at 7820,4205 h100 r90
P12: Top Overlay "2" at 6960.51,4415 h50 r90; Top Overlay "1" at 7060.51,4415 h50 r90; Top Overlay "1" at 7060.51,5095 h50 r90; Top Overlay "1" at 7060.51,5135 h50 r90; Top Overlay "12" at 6960.51,5095 h50 r90